# Altium PCB waffling60-ALPS.PcbDoc (part 2 of 2)
Units mm, origin at the board's own origin, x right, y up, seen from the top; angles counter-clockwise.
Board outline 284.7 x 94.21 mm, 2 copper layers (Component Side, Bottom Layer), stack 1.571 mm thick; 180 components, 117 nets, 690 pads, 139 vias.
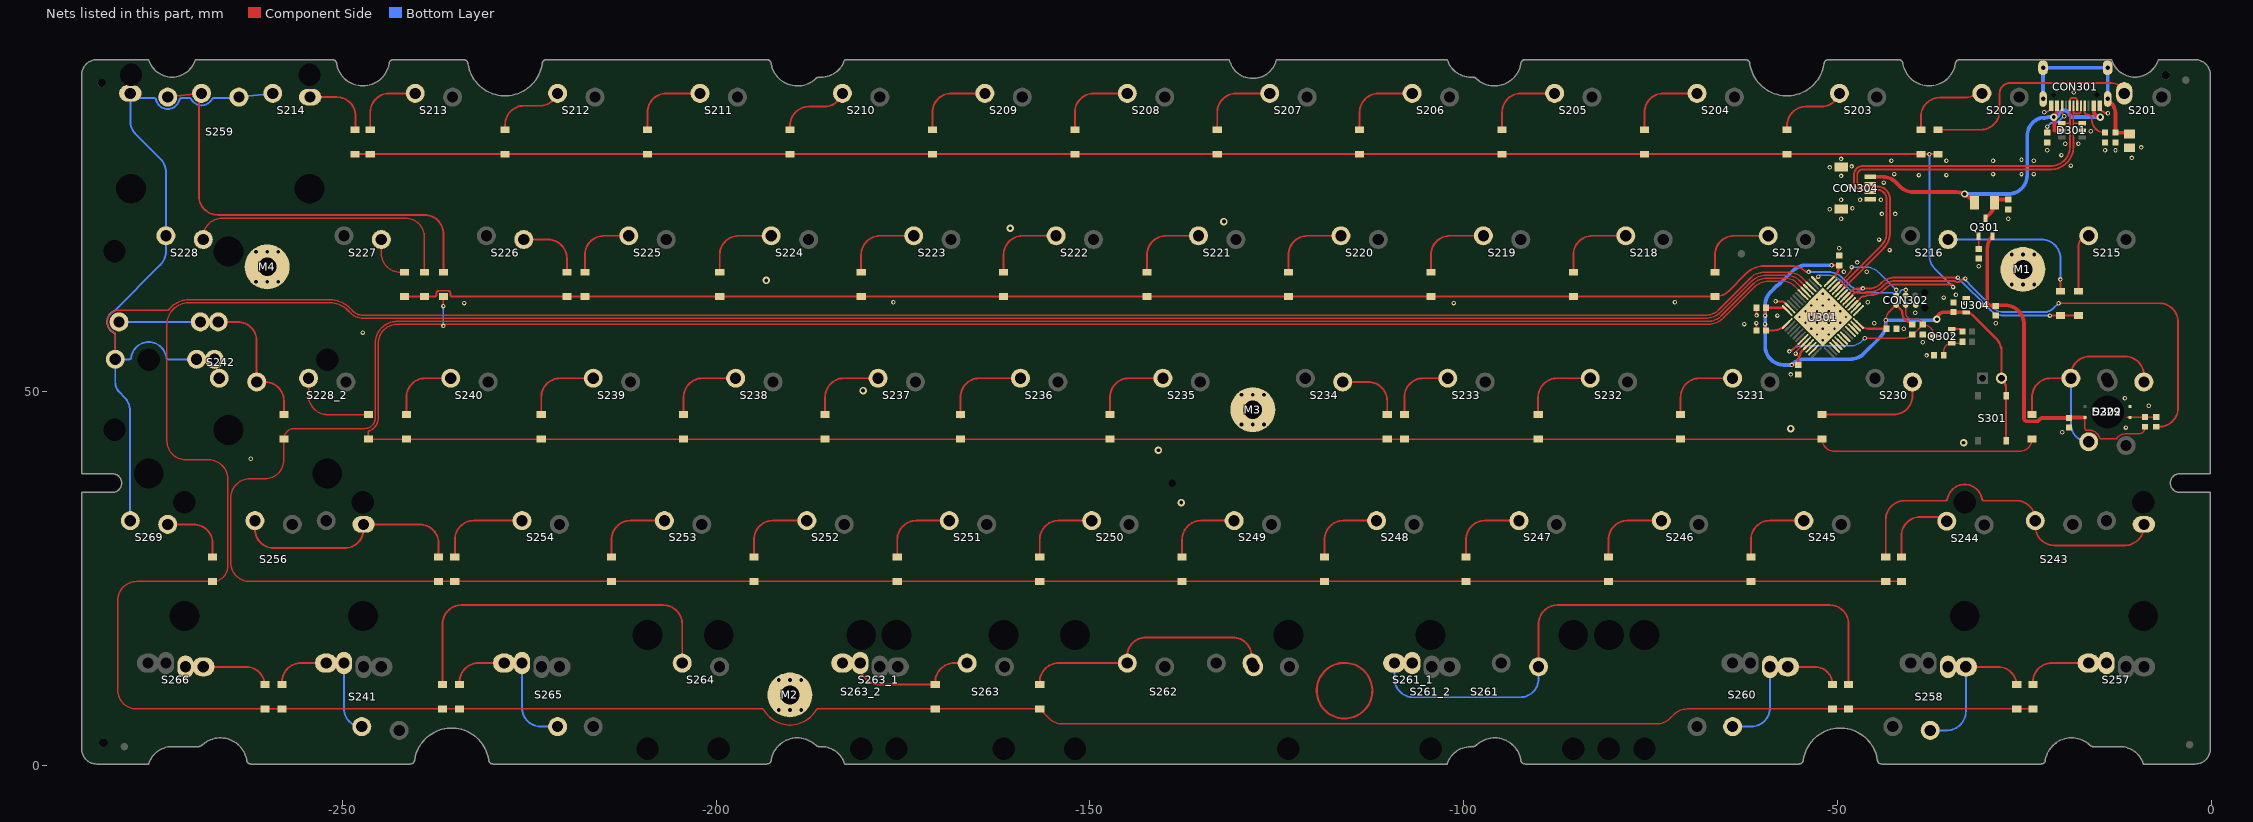
[diagram p2: the nets of this part, all layers, seen from the top]

## Via types
v1: diameter 0.6, hole 0.3, Component Side to Bottom Layer, tented both sides, 102 vias
v2: diameter 0.6, hole 0.3, Component Side to Bottom Layer, tented bottom, 25 vias
v3: diameter 1, hole 0.5, Component Side to Bottom Layer, tented both sides, 12 vias

## Nets (pads, with @x,y where several pads share a name; then routed paths per layer and width w, separated by ;. In a path a pad name is that pad's centre, name@x,y a point inside that pad or via, vN(x,y) a via of type N, cw(c..) or ccw(c..) an arc to the next point about the centre after c; other vN are vias at no path point) (continued)
col14: S214.2 S228.2 S242.2 S259.2 S269.2 U301.39 | length 342.6
  Component Side w0.203: S242.2@-279.352,54.404 cw(c-279.495,54.548) -279.495,54.345 S242.2@-280.361,54.345 -280.361,57.186 ccw(c-282.901,57.186) -280.435,57.796 ccw(c-280.633,57.747) -280.544,57.929 cw(c-279.861,59.345) -279.689,60.907 -273.354,60.907 ccw(c-273.356,61.11) -273.194,60.987 cw(c-270.564,59.001) -273.156,61.037 cw(c-270.564,59.001) -271.551,62.145 cw(c-270.564,59.001) -270.564,62.297 -251.623,62.297 cw(c-251.623,58.547) -248.97,61.197 -248.712,60.939 -248.548,60.774 ccw(c-247.225,62.096) -248.545,60.772 ccw(c-247.225,62.096) -247.225,60.226 -67.691,60.226 ccw(c-67.691,62.766) -65.895,60.97 -61.617,65.248 cw(c-59.821,63.452) -59.821,65.992 -56.539,65.992 cw(c-56.539,63.452) -54.743,65.248 U301.39@-53.72,64.225
  Component Side w0.254: S242.2@-267.099,54.345 S242.2@-266.45,51.815
  Bottom Layer w0.254: S259.2@-278.39,90.495 cw(c-278.39,90.108) S259.2@-278.003,90.108 ; S269.2@-278.384,32.765 -278.384,33.345 -278.39,33.345 -278.39,47.468 ccw(c-280.93,47.468) -279.134,49.264 -279.781,49.911 cw(c-278.38,51.312) -280.361,51.312 S242.2@-280.361,54.345 ; S242.2@-269.48,54.345 -273.295,54.345 cw(c-273.295,54.599) -273.548,54.57 ccw(c-275.888,54.3) -278.228,54.57 cw(c-278.481,54.599) -278.481,54.345 S242.2@-280.361,54.345 ; S242.2@-267.099,54.345 S242.2@-266.45,51.815 ; S214.2@-259.3,89.915 S259.2@-263.825,89.415 -263.825,89.281 -267.2,89.281 ccw(c-267.201,89.027) -267.424,89.149 cw(c-268.825,89.915) -270.226,89.149 ccw(c-270.449,89.027) -270.449,89.281 -271.54,89.281 ccw(c-271.54,89.027) -271.788,89.08 cw(c-273.35,89.415) -274.912,89.08 ccw(c-275.16,89.027) -275.161,89.281 -276.819,89.281 cw(c-276.819,91.446) S259.2@-278.35,89.915 -278.35,86.235 ccw(c-275.81,86.235) -277.606,84.439 -274.331,81.164 cw(c-276.127,79.368) -273.587,79.368 S228.2@-273.587,70.865 -273.587,68.78 cw(c-276.127,68.78) -274.331,66.984 -280.512,60.803 ccw(c-279.861,59.345) -280.748,60.673 ccw(c-279.861,59.345) -280.75,60.672 ccw(c-279.861,59.345) -280.512,57.887 cw(c-280.615,57.655) -280.361,57.653 S242.2@-280.361,54.345
D_N: CON301.A7 CON301.B7 CON304.2 D301.3 U301.32 | length 62
  Component Side w0.254: U301.32@-49.513,63.518 -49.513,63.53 -49.083,63.96 cw(c-49.04,63.96) U301.32@-49.071,63.99 ; U301.32@-49.071,63.99 -43.854,69.207 ccw(c-45.971,71.324) -42.977,71.324 -42.977,75.751 ccw(c-44.704,75.751) -44.704,77.479 -46.736,77.479 cw(c-46.736,78.114) -47.371,78.114 -47.371,78.994 cw(c-46.609,78.994) -46.609,79.756 -21.463,79.756 ccw(c-21.463,82.753) -18.466,82.753 -18.466,83.947 ccw(c-18.923,83.947) -18.47,84.005 cw(c-18.217,84.036) -18.471,84.035 -18.471,85.852 ; CON301.B7@-17.45,88.25 -17.473,87.652 -17.473,87.525 cw(c-17.8,87.525) -17.58,87.283 cw(c-17.8,87.525) -17.8,87.198 -18.1,87.198 cw(c-18.1,87.525) -18.427,87.525 -18.427,87.652 CON301.A7@-18.45,88.25 ccw(c-18.45,88.229) -18.471,88.229 -18.471,85.852 ; D301.3@-17.294,85.913 -18.41,85.913 ccw(c-18.41,85.852) -18.471,85.852
D_P: CON301.A6 CON301.B6 CON304.3 D301.4 U301.33 | length 62.8
  Component Side w0.254: U301.33@-49.866,63.871 -49.854,63.871 -49.424,64.301 ccw(c-49.424,64.344) -49.394,64.314 -44.178,69.53 ccw(c-45.974,71.326) -43.434,71.326 -43.434,75.751 ccw(c-44.704,75.751) -44.704,77.021 -46.736,77.021 cw(c-46.736,78.114) -47.828,78.114 -47.828,78.994 cw(c-46.609,78.994) -46.609,80.213 -21.469,80.213 ccw(c-21.469,82.753) -18.929,82.753 -18.929,85.979 ; D301.4@-20.044,85.913 -18.995,85.913 ccw(c-18.995,85.979) -18.929,85.979 ; CON301.A6@-17.95,88.25 -17.973,87.652 -17.973,88.353 cw(c-18.3,88.355) -17.973,88.351 -17.973,88.975 ccw(c-18.3,88.975) -18.3,89.302 -18.6,89.302 ccw(c-18.6,88.975) -18.927,88.975 -18.927,88.355 CON301.B6@-18.95,88.25 cw(c-18.95,88.229) -18.929,88.229 -18.929,85.979
GND: C301.1 C302.1 C303.1 C304.1 C305.1 C306.1 C307.1 C308.1 C310.2 C311.1 C312.1 CON301.A1B12 CON301.B1A12 CON302.5 CON304.4 CON304.5 D301.2 D302.3 L301.1 M1.1 M2.1 M3.1 M4.1 Q302.2 R301.2 R302.2 R304.2 R305.2 R307.2 U301.8 U301.23 U301.35 U301.47 U304.1 | length 47.1
  Component Side w0.254: v1(-58.293,62.103) -57.509,62.103 cw(c-57.509,61.49) -57.075,61.924 U301.47@-56.549,61.397 ; v1(-55.626,55.118) -55.56,55.184 -55.56,55.35 U301.8@-54.427,56.482 ; Q302.2@-34.741,58.389 -33.704,58.389 cw(c-33.705,58.135) -33.658,58.385 ccw(c-33.528,59.055) -33.528,58.372 R304.2@-33.289,58.074 ; v1(-22.352,87.376) -22.324,87.376 ccw(c-22.324,88.25) CON301.B1A12@-21.45,88.25 ; CON301.A1B12@-14.95,88.25 -14.777,87.687 cw(c-14.984,87.541) -14.776,87.685 ccw(c-13.949,88.25) -14.712,87.602 ccw(c-14.519,87.767) -14.6,87.526 cw(c-14.859,86.741) -14.285,87.337 ccw(c-14.11,87.521) -14.166,87.273 ccw(c-13.949,88.25) -13.949,87.249 v1(-13.843,87.249)
  Component Side w0.279: -112.231,10.152 cw(c-115.948,10.029) -112.231,10.166
  Component Side w0.3: C305.1@-60.848,58.201 v1@-60.848,59.202 ; v1@-60.833,60.213 C304.1@-60.833,61.214
  Bottom Layer w0.254: v2(-55.081,60) v2(-54.303,59.222) v2(-53.526,58.444) v2(-52.748,57.666) v2(-51.97,56.889) ; v2(-52.748,62.333) v2(-51.192,60.778) v2(-49.637,59.222) ; v2(-51.97,63.111) v2(-51.192,62.333) v2(-50.414,61.556) v2(-49.637,60.778) v2(-48.859,60)
  other v1: -262.255,41.036 -19.939,44.577 -11.43,45.212 -8.382,48.133 -11.557,49.149 -56.261,52.324 -38.1,54.864 -38.608,56.642 -34.544,57.531 -247.269,57.927 -41.148,58.42 -62.484,59.055 -45.085,59.182 -28.829,59.182 -60.848,59.194 -58.039,60.198 -60.833,60.221 -39.624,60.579 -32.893,61.849 -233.68,61.864 -101.346,61.864 -45.974,61.976 -176.276,61.991 -71.755,61.991 -35.814,62.611 -34.163,62.992 -49.149,66.04 -46.101,66.04 -31.115,66.802 -47.371,67.31 -43.053,68.961 -49.784,69.215 -44.45,70.358 -49.53,73.152 -27.178,73.152 -44.069,73.787 -42.291,73.787 -51.054,74.422 -48.006,74.549 -49.53,75.692 -46.99,75.692 -44.196,75.692 -48.387,77.47 -43.815,77.978 -49.53,78.867 -39.116,78.994 -35.433,78.994 -42.418,79.121 -29.21,79.121 -25.4,79.121 -23.749,79.121 -51.054,80.01 -48.133,80.137 -18.796,80.264 -42.799,80.899 -35.433,80.899 -29.21,80.899 -23.749,80.899 -25.4,81.026 -49.53,81.153 -10.668,81.28 -20.066,81.661 -21.971,82.296 -14.224,82.296 -12.827,82.296 -9.398,82.677 -19.558,83.185 -17.78,83.185 -16.129,84.836 -18.415,90.043
  other v2: -51.192,57.666 -51.97,58.444 -50.414,58.444 -52.748,59.222 -51.192,59.222 -53.526,60 -51.97,60 -50.414,60 -54.303,60.778 -52.748,60.778 -53.526,61.556 -51.97,61.556
  other v3: -137.795,35.179 -140.843,42.164 -33.147,43.18 -56.261,45.085 -180.34,50.165 -193.294,64.897 -160.655,71.882 -132.08,72.771
LED: R308.2 U301.29 | length 64.7
  Component Side w0.254: U301.29@-48.452,62.457 -48.375,62.534 ccw(c-48.96,63.119) -48.267,62.667 cw(c-48.055,62.528) -48.236,62.706 -48.061,62.88 ccw(c-48.399,63.217) -47.988,62.976 cw(c-47.77,62.845) -47.95,63.024 -47.805,63.17 cw(c-47.319,62.686) -47.319,63.371 -47.132,63.371 cw(c-47.133,63.117) -46.983,63.322 ccw(c-46.609,63.825) -46.224,63.331 cw(c-46.069,63.13) -46.146,63.371 -45.684,63.371 ccw(c-45.684,65.75) -44.709,63.58 ccw(c-45.684,65.75) -44.001,64.069 -43.858,64.212 cw(c-42.382,62.738) -42.382,64.824 -34.417,64.824 cw(c-34.434,64.571) -34.283,64.775 ccw(c-33.909,65.278) -33.909,64.651 ccw(c-33.909,65.278) -33.343,65.008 cw(c-33.115,64.897) -33.116,65.151 v1(-32.893,65.151) ; v1(-20.447,61.849) -6.985,61.849 cw(c-6.985,59.309) -4.445,59.309 -4.445,47.864 cw(c-6.985,47.864) -6.985,45.324 R308.2@-7.366,45.324
  Bottom Layer w0.254: v1(-32.893,65.151) -32.893,65.009 ccw(c-32.639,65.009) -32.819,64.83 -32,64.012 -29.251,61.262 ccw(c-27.777,62.738) -27.777,60.652 -22.352,60.652 ccw(c-22.352,62.361) -22.027,60.683 ccw(c-22.077,60.932) -21.937,60.72 cw(c-21.59,60.198) -21.646,60.822 ccw(c-21.671,61.075) -21.553,60.85 ccw(c-22.352,62.361) -21.143,61.153 v1(-20.447,61.849)
NetC306_2: C306.2 F301.1 Q301.3 | length 4.7
  Component Side w0.5: Q301.3@-30.226,73.209 -29.624,73.811 ccw(c-31.125,75.311) F301.1@-29.003,75.311 -29.003,75.707 C306.2@-27.178,75.707
NetC309_2: C309.2 Q302.1 R305.1 | length 3.8
  Component Side w0.203: R305.1@-35.799,54.899 -35.799,55.431 cw(c-34.741,55.431) Q302.1@-34.741,56.489 -33.477,56.489 ccw(c-33.477,56.677) C309.2@-33.289,56.677
NetC312_2: C312.2 CON301.S1 L301.2 | length 24.4
  Component Side w0.5: CON301.S1@-13.88,88.561 CON301.S1@-13.88,89.165 CON301.S1@-13.571,88.856 ; CON301.S1@-13.571,88.856 cw(c-15.367,87.06) -12.827,87.06 C312.2@-12.827,84.65 -11.318,84.65 cw(c-11.318,84.09) L301.2@-10.922,84.486
  Bottom Layer w0.5: CON301.S1@-22.52,89.165 CON301.S1@-22.52,93.345 CON301.S1@-13.88,93.345 CON301.S1@-13.88,89.165
NetCON301_A5: CON301.A5 R301.1 | length 5.2
  Component Side w0.254: CON301.A5@-16.95,88.25 -16.95,87.441 ccw(c-16.59,87.441) -16.59,87.081 cw(c-16.59,86.493) -16.285,86.996 cw(c-16.59,86.493) -16.002,86.493 -16.002,86.428 ccw(c-14.224,86.428) R301.1@-14.224,84.65
NetCON301_B5: CON301.B5 R302.1 | length 5.1
  Component Side w0.254: R302.1@-21.971,84.65 v1(-21.971,85.471) ; CON301.B5@-19.95,88.25 -19.95,87.508 ccw(c-19.045,87.508) v1(-19.685,86.868)
  Bottom Layer w0.254: v1(-21.971,85.471) -21.559,85.883 cw(c-21.381,85.702) -21.311,85.946 ccw(c-21.082,86.741) -20.427,86.237 cw(c-20.226,86.081) -20.352,86.301 ccw(c-20.878,87.241) -20.103,86.493 -19.792,86.805 cw(c-19.612,86.625) v1(-19.685,86.868)
NetD201_1: D201.1 S201.1 | length 30.6
  Component Side w0.254: D201.1@-36.576,85.05 -30.861,85.05 ccw(c-30.861,87.59) -28.321,87.59 -28.321,89.916 cw(c-26.924,89.916) -26.924,91.313 -13.56,91.313 cw(c-13.56,88.773) -11.764,90.569 -11.69,90.495 ccw(c-12.254,90.495) S201.1@-12.254,91.059
NetD202_1: D202.1 S202.1 | length 12.9
  Component Side w0.254: D202.1@-38.862,85.05 -38.862,85.117 -38.862,86.799 cw(c-36.322,86.799) -36.322,89.339 -34.32,89.339 cw(c-34.036,86.358) -34.036,89.352 -32.935,89.352 ccw(c-32.935,91.892) -31.139,90.096 -30.74,90.495 cw(c-32.208,90.495) S202.1@-31.209,89.419
NetD203_1: D203.1 S203.1 | length 10.3
  Component Side w0.254: D203.1@-56.769,85.05 -56.769,85.598 cw(c-54.229,85.598) -54.229,88.138 -52.147,88.138 ccw(c-52.147,90.495) S203.1@-49.79,90.495
NetD204_1: D204.1 S204.1 | length 10.8
  Component Side w0.254: D204.1@-75.819,85.05 -75.819,87.375 cw(c-73.279,87.375) -73.279,89.915 S204.1@-68.8,89.915
NetD205_1: D205.1 S205.1 | length 10.8
  Component Side w0.254: D205.1@-94.869,85.05 -94.869,87.375 cw(c-92.329,87.375) -92.329,89.915 S205.1@-87.85,89.915
NetD206_1: D206.1 S206.1 | length 10.8
  Component Side w0.254: D206.1@-113.919,85.05 -113.919,87.375 cw(c-111.379,87.375) -111.379,89.915 S206.1@-106.9,89.915
NetD207_1: D207.1 S207.1 | length 10.8
  Component Side w0.254: D207.1@-132.969,85.05 -132.969,87.375 cw(c-130.429,87.375) -130.429,89.915 S207.1@-125.95,89.915
NetD208_1: D208.1 S208.1 | length 10.8
  Component Side w0.254: D208.1@-152.019,85.05 -152.019,87.375 cw(c-149.479,87.375) -149.479,89.915 S208.1@-145,89.915
NetD209_1: D209.1 S209.1 | length 10.8
  Component Side w0.254: D209.1@-171.069,85.05 -171.069,87.375 cw(c-168.529,87.375) -168.529,89.915 S209.1@-164.05,89.915
NetD210_1: D210.1 S210.1 | length 10.3
  Component Side w0.254: D210.1@-190.119,85.05 -190.119,85.598 cw(c-187.579,85.598) -187.579,88.138 -185.497,88.138 ccw(c-185.497,90.495) S210.1@-183.14,90.495
NetD211_1: D211.1 S211.1 | length 10.8
  Component Side w0.254: D211.1@-209.169,85.05 -209.169,87.375 cw(c-206.629,87.375) -206.629,89.915 S211.1@-202.15,89.915
NetD212_1: D212.1 S212.1 | length 10.4
  Component Side w0.254: D212.1@-228.219,85.05 -228.219,85.725 cw(c-225.679,85.725) -225.679,88.265 -223.47,88.265 ccw(c-223.47,90.495) S212.1@-221.24,90.495
NetD213_1: D213.1 S213.1 | length 9.8
  Component Side w0.254: D213.1@-246.253,85.05 -246.253,87.375 cw(c-243.713,87.375) -243.713,89.915 S213.1@-240.25,89.915
NetD214_1: D214.1 S214.1 | length 9.4
  Component Side w0.254: S214.1@-254.3,89.415 -250.759,89.415 cw(c-250.759,86.875) -248.219,86.875 D214.1@-248.219,85.05
NetD215_1: D215.1 S215.1 | length 8.8
  Component Side w0.254: D215.1@-17.78,63.46 -17.78,69.498 cw(c-16.412,69.498) S215.1@-16.452,70.864 ; S215.1@-16.452,71.445 S215.1@-16.452,70.864 ; S215.1@-16.412,70.865 ccw(c-16.412,69.498) S215.1@-16.452,70.864
NetD216_1: D216.1 S216.1 | length 21.2
  Component Side w0.254: v1(-20.193,65.024) D216.1@-20.193,63.46 ; D216.1@-20.193,63.46 cw(c-20.31,63.46) -20.31,63.343 D216.1@-20.193,63.46
  Bottom Layer w0.254: S216.1@-35.225,70.365 -22.733,70.365 cw(c-22.733,67.825) -20.193,67.825 v1(-20.193,65.024)
NetD217_1: D217.1 S217.1 | length 10.9
  Component Side w0.254: D217.1@-66.4,66 -66.4,68.325 cw(c-63.86,68.325) -63.86,70.865 S217.1@-59.275,70.865
NetD218_1: D218.1 S218.1 | length 10.8
  Component Side w0.254: D218.1@-85.344,66 -85.344,68.325 cw(c-82.804,68.325) -82.804,70.865 S218.1@-78.325,70.865
NetD219_1: D219.1 S219.1 | length 10.8
  Component Side w0.254: D219.1@-104.394,66 -104.394,68.325 cw(c-101.854,68.325) -101.854,70.865 S219.1@-97.375,70.865
NetD220_1: D220.1 S220.1 | length 10.8
  Component Side w0.254: D220.1@-123.444,66 -123.444,68.325 cw(c-120.904,68.325) -120.904,70.865 S220.1@-116.425,70.865
NetD221_1: D221.1 S221.1 | length 10.7
  Component Side w0.254: D221.1@-142.367,66 -142.367,68.325 cw(c-139.827,68.325) -139.827,70.865 S221.1@-135.475,70.865
NetD222_1: D222.1 S222.1 | length 10.8
  Component Side w0.254: D222.1@-161.544,66 -161.544,68.325 cw(c-159.004,68.325) -159.004,70.865 S222.1@-154.525,70.865
NetD223_1: D223.1 S223.1 | length 10.8
  Component Side w0.254: D223.1@-180.594,66 -180.594,68.325 cw(c-178.054,68.325) -178.054,70.865 S223.1@-173.575,70.865
NetD224_1: D224.1 S224.1 | length 10.7
  Component Side w0.254: D224.1@-199.517,66 -199.517,68.325 cw(c-196.977,68.325) -196.977,70.865 S224.1@-192.625,70.865
NetD225_1: D225.1 S225.1 | length 9.7
  Component Side w0.254: D225.1@-217.551,66 -217.551,68.325 cw(c-215.011,68.325) -215.011,70.865 S225.1@-211.675,70.865
NetD226_1: D226.1 S226.1 | length 9
  Component Side w0.254: S226.1@-225.725,70.365 -222.504,70.365 cw(c-222.504,67.825) -219.964,67.825 D226.1@-219.964,66
NetD227_1: D227.1 S227.1 | length 6.4
  Component Side w0.203: S227.1@-244.775,70.365 -244.775,68.54 ccw(c-242.235,68.54) -242.235,66 D227.1@-241.681,66
NetD228_1: D228.1 S228.1 | length 37.5
  Component Side w0.203: S228.1@-268.587,70.365 -268.587,70.691 cw(c-266.047,70.691) -266.047,73.231 -241.554,73.231 cw(c-241.554,70.691) -239.014,70.691 D228.1@-239.014,66
NetD228_2_1: D228_2.1 S228_2.1 | length 11.8
  Component Side w0.203: S228_2.1@-254.512,51.815 -254.512,49.49 ccw(c-251.972,49.49) -251.972,46.95 D228_2.1@-246.507,46.95
NetD229_1: D229.1 S229.1 | length 32.8
  Component Side w0.254: D229.1@-24.003,46.95 -24.003,49.275 cw(c-21.463,49.275) -21.463,51.815 S229.1@-18.794,51.815 -18.794,52.197 cw(c-16.254,52.197) -16.254,54.737 -11.571,54.737 cw(c-11.571,52.197) -9.031,52.197 S229.1@-9.031,51.315
  Bottom Layer w0.254: S229.1@-18.794,51.815 -18.794,45.696 ccw(c-16.412,45.696) S229.1@-16.412,43.315
NetD230_1: D230.1 S230.1 | length 15.4
  Component Side w0.254: D230.1@-52.07,46.95 -42.527,46.95 ccw(c-42.527,49.49) -39.987,49.49 S230.1@-39.987,51.315
NetD231_1: D231.1 S231.1 | length 10.7
  Component Side w0.254: D231.1@-70.993,46.95 -70.993,49.275 cw(c-68.453,49.275) -68.453,51.815 S231.1@-64.037,51.815
NetD232_1: D232.1 S232.1 | length 10.7
  Component Side w0.254: D232.1@-90.043,46.95 -90.043,49.275 cw(c-87.503,49.275) -87.503,51.815 S232.1@-83.087,51.815
NetD233_1: D233.1 S233.1 | length 9.6
  Component Side w0.254: D233.1@-107.95,46.95 -107.95,49.275 cw(c-105.41,49.275) -105.41,51.815 S233.1@-102.137,51.815
NetD234_1: D234.1 S234.1 | length 9.2
  Component Side w0.254: S234.1@-116.187,51.315 -112.776,51.315 cw(c-112.776,48.775) -110.236,48.775 D234.1@-110.236,46.95
NetD235_1: D235.1 S235.1 | length 10.9
  Component Side w0.254: D235.1@-147.32,46.95 -147.32,49.275 cw(c-144.78,49.275) -144.78,51.815 S235.1@-140.237,51.815
NetD236_1: D236.1 S236.1 | length 12.2
  Component Side w0.254: D236.1@-167.32,46.515 D236.1@-167.32,46.95 -167.32,49.275 cw(c-164.78,49.275) -164.78,51.815 S236.1@-159.287,51.815
NetD237_1: D237.1 S237.1 | length 10.9
  Component Side w0.254: D237.1@-185.42,46.95 -185.42,49.275 cw(c-182.88,49.275) -182.88,51.815 S237.1@-178.337,51.815
NetD238_1: D238.1 S238.1 | length 10.7
  Component Side w0.254: D238.1@-204.343,46.95 -204.343,49.275 cw(c-201.803,49.275) -201.803,51.815 S238.1@-197.387,51.815
NetD239_1: D239.1 S239.1 | length 10.7
  Component Side w0.254: D239.1@-223.393,46.95 -223.393,49.275 cw(c-220.853,49.275) -220.853,51.815 S239.1@-216.437,51.815
NetD240_1: D240.1 S240.1 | length 9.7
  Component Side w0.254: D240.1@-241.427,46.95 -241.427,49.275 cw(c-238.887,49.275) -238.887,51.815 S240.1@-235.487,51.815
NetD241_1: D241.1 S241.2 | length 17.2
  Component Side w0.254: D241.1@-258.064,11.175 cw(c-255.524,11.175) -255.524,13.715 S241.2@-252.156,13.715
  Bottom Layer w0.254: S241.2@-249.774,13.715 -249.774,7.596 ccw(c-247.393,7.596) S241.2@-247.393,5.215
NetD242_1: D242.1 S242.1 | length 29.9
  Component Side w0.254: S242.1@-266.599,59.345 -263.99,59.345 cw(c-263.99,56.805) -261.45,56.805 S242.1@-261.45,51.315 -260.35,51.315 cw(c-260.35,48.775) -257.81,48.775 D242.1@-257.81,46.95
  Bottom Layer w0.254: S242.1@-279.861,59.345 S242.1@-268.98,59.345
NetD243_1: D243.1 S243.1 | length 48.6
  Component Side w0.254: D243.1@-43.561,27.9 -43.561,32.893 cw(c-41.021,32.893) -41.021,35.433 -35.567,35.433 ccw(c-35.567,35.687) -35.317,35.644 cw(c-32.994,35.25) -30.672,35.643 ccw(c-30.421,35.687) -30.421,35.433 -26.096,35.433 cw(c-26.096,32.893) -23.556,32.893 S243.1@-23.556,32.765 -23.556,32.004 ccw(c-21.016,32.004) -21.016,29.464 -11.571,29.464 ccw(c-11.571,32.004) -9.031,32.004 S243.1@-9.031,32.265
NetD244_1: D244.1 S244.2 | length 10.3
  Component Side w0.254: D244.1@-41.468,27.9 -41.468,30.734 cw(c-38.928,30.734) -38.928,33.274 S244.2@-35.433,33.274
NetD245_1: D245.1 S245.1 | length 10.9
  Component Side w0.254: D245.1@-61.595,27.9 -61.595,30.225 cw(c-59.055,30.225) -59.055,32.765 S245.1@-54.512,32.765
NetD246_1: D246.1 S246.1 | length 10.9
  Component Side w0.254: D246.1@-80.645,27.9 -80.645,30.225 cw(c-78.105,30.225) -78.105,32.765 S246.1@-73.562,32.765
NetD247_1: D247.1 S247.1 | length 10.9
  Component Side w0.254: D247.1@-99.695,27.9 -99.695,30.225 cw(c-97.155,30.225) -97.155,32.765 S247.1@-92.612,32.765
NetD248_1: D248.1 S248.1 | length 10.7
  Component Side w0.254: D248.1@-118.618,27.9 -118.618,30.225 cw(c-116.078,30.225) -116.078,32.765 S248.1@-111.662,32.765
NetD249_1: D249.1 S249.1 | length 10.7
  Component Side w0.254: D249.1@-137.668,27.9 -137.668,30.225 cw(c-135.128,30.225) -135.128,32.765 S249.1@-130.712,32.765
NetD250_1: D250.1 S250.1 | length 10.7
  Component Side w0.254: D250.1@-156.718,27.9 -156.718,30.225 cw(c-154.178,30.225) -154.178,32.765 S250.1@-149.762,32.765
NetD251_1: D251.1 S251.1 | length 10.7
  Component Side w0.254: D251.1@-175.768,27.9 -175.768,30.225 cw(c-173.228,30.225) -173.228,32.765 S251.1@-168.812,32.765
NetD252_1: D252.1 S252.1 | length 10.9
  Component Side w0.254: D252.1@-194.945,27.9 -194.945,30.225 cw(c-192.405,30.225) -192.405,32.765 S252.1@-187.862,32.765
NetD253_1: D253.1 S253.1 | length 10.9
  Component Side w0.254: D253.1@-213.995,27.9 -213.995,30.225 cw(c-211.455,30.225) -211.455,32.765 S253.1@-206.912,32.765
NetD254_1: D254.1 S254.1 | length 12.8
  Component Side w0.254: D254.1@-234.95,27.9 -234.95,30.225 cw(c-232.41,30.225) -232.41,32.765 S254.1@-225.962,32.765
NetD255_1: D255.1 S256.2 | length 32.5
  Component Side w0.254: S256.2@-261.68,32.765 -261.68,31.623 ccw(c-259.14,31.623) -259.14,29.083 -249.695,29.083 ccw(c-249.695,31.623) -247.155,31.623 S256.2@-247.155,32.265 -239.649,32.265 cw(c-239.649,29.725) -237.109,29.725 D255.1@-237.109,27.9
NetD256_1: D256.1 S269.1 | length 9.3
  Component Side w0.254: S269.1@-273.35,32.265 -269.875,32.265 cw(c-269.875,29.725) -267.335,29.725 D256.1@-267.335,27.9
NetD257_1: D257.1 S257.2 | length 8.9
  Component Side w0.254: D257.1@-23.876,11.175 cw(c-21.336,11.175) -21.336,13.715 S257.2@-16.412,13.715
NetD258_1: D258.1 S258.1 | length 20.4
  Component Side w0.254: S258.1@-32.843,13.215 -28.575,13.215 cw(c-28.575,10.675) D258.1@-26.035,10.675
  Bottom Layer w0.254: S258.1@-37.606,4.715 -35.383,4.715 ccw(c-35.383,7.255) -32.843,7.255 S258.1@-32.843,13.215
NetD259_1: D259.1 S259.1 | length 59.6
  Component Side w0.254: S259.1@-273.35,89.415 S259.1@-269.182,89.875 ; S259.1@-268.825,89.915 S259.1@-269.182,89.875 ; D259.1@-236.474,66 -236.474,71.12 ccw(c-239.014,71.12) -239.014,73.66 -266.642,73.66 cw(c-266.642,76.2) -269.182,76.2 S259.1@-269.182,89.875
  Bottom Layer w0.254: S259.1@-269.5,90.495 S259.1@-268.865,90.495
NetD260_1: D260.1 S260.1 | length 19.2
  Component Side w0.254: S260.1@-56.656,13.215 -53.038,13.215 cw(c-53.038,10.85) D260.1@-50.673,10.85
  Bottom Layer w0.254: S260.1@-64.037,5.215 -61.577,5.215 ccw(c-61.577,7.755) -59.037,7.755 S260.1@-59.037,13.215
NetD261_1: D261.1 S261.1 S261_1.1 S261_2.2 | length 84.7
  Component Side w0.254: S261.1@-89.993,12.446 S261.1@-89.993,13.215 -89.993,18.923 cw(c-87.453,18.923) -87.453,21.463 -51.054,21.463 cw(c-51.054,18.923) -48.514,18.923 D261.1@-48.514,10.85
  Bottom Layer w0.254: S261_1.1@-109.28,13.715 -109.28,11.684 ccw(c-106.74,11.684) -106.74,9.144 -92.456,9.144 ccw(c-92.456,11.607) -89.993,11.607 S261.1@-89.993,13.215
NetD262_1: D262.1 S262.2 | length 34.8
  Component Side w0.254: D262.1@-156.718,10.85 -156.718,11.175 cw(c-154.178,11.175) -154.178,13.715 S262.2@-144.999,13.715 ; S262.2@-145.039,14.295 -145.039,14.605 cw(c-142.499,14.605) -142.499,17.145 -130.903,17.145 cw(c-130.903,14.605) -128.363,14.605 -128.363,14.295 S262.2@-127.837,13.769
  Bottom Layer w0.254: S262.2@-145.039,14.295 S262.2@-145.039,14.478 ; S262.2@-128.363,14.295 S262.2@-128.363,14.478
NetD263_1: D263.1 S263.2 S263_1.2 S263_2.2 | length 17.8
  Component Side w0.254: S263_1.2@-180.718,13.715 -180.718,13.39 ccw(c-178.178,13.39) -178.178,10.85 D263.1@-170.688,10.85 -170.688,11.175 cw(c-168.148,11.175) -168.148,13.715 S263.2@-166.431,13.715
NetD264_1: D264.1 S264.1 | length 48.3
  Component Side w0.254: D264.1@-236.601,10.85 -236.601,18.923 cw(c-234.061,18.923) -234.061,21.463 -207.071,21.463 cw(c-207.071,18.923) -204.531,18.923 S264.1@-204.531,13.715
NetD265_1: D265.1 S265.2 | length 19.9
  Component Side w0.254: D265.1@-234.315,10.85 -234.315,11.175 cw(c-231.775,11.175) -231.775,13.715 S265.2@-228.343,13.715
  Bottom Layer w0.254: S265.2@-225.962,13.715 -225.962,7.755 ccw(c-223.422,7.755) -223.422,5.215 S265.2@-221.199,5.215
NetD266_1: D266.1 S266.1 | length 9.7
  Component Side w0.254: S266.1@-268.587,13.215 -262.89,13.215 cw(c-262.89,10.675) D266.1@-260.35,10.675
NetD302_4: D302.4 R306.2 R308.1 | length 4
  Component Side w0.203: -11.303,46.609 -7.478,46.609 cw(c-7.478,46.497) R308.1@-7.366,46.497
NetQ301_1: Q301.1 R307.1 | length 1.7
  Component Side w0.254: Q301.1@-31.176,70.809 cw(c-31.323,70.662) -31.115,70.662 R307.1@-31.115,69.103
NRST: C310.1 CON302.3 Q302.3 R303.2 U301.7 | length 27.9
  Component Side w0.203: v1(-56.434,55.394) ccw(c-56.434,55.906) -56.312,55.409 ccw(c-56.434,55.906) -56.072,55.544 U301.7@-54.781,56.836 ; v1(-46.355,57.15) -41.28,57.15 ccw(c-41.28,58.953) R303.2@-40.005,57.678 ccw(c-40.005,57.912) -39.839,57.747 C310.1@-38.608,58.978 ; CON302.3@-40.894,61.63 -40.894,60.579 ccw(c-40.005,60.579) -40.005,59.69 -39.32,59.69 cw(c-39.32,58.978) C310.1@-38.608,58.978 ; Q302.3@-37.141,57.439 -37.141,57.511 ccw(c-38.608,57.511) C310.1@-38.608,58.978
  Bottom Layer w0.203: v1(-56.434,55.394) cw(c-54.648,53.608) -54.648,56.134 -48.423,56.134 ccw(c-48.423,58.674) -46.627,56.878 v1(-46.355,57.15)
PA0: U301.10
PA1: U301.11
PA5: U301.15
PA6: U301.16
PA7: U301.17
PA9: D215.2 D216.2 D217.2 D218.2 D219.2 D220.2 D221.2 D222.2 D223.2 D224.2 D225.2 D226.2 D227.2 D228.2 U301.30 | length 232.5
  Component Side w0.254: D227.2@-241.681,62.73 D228.2@-239.014,62.73 -237.665,62.73 ccw(c-237.665,62.984) -237.411,62.984 -237.411,63.185 cw(c-237.084,63.185) -237.084,63.512 -235.864,63.512 cw(c-235.864,63.185) -235.537,63.185 -235.537,62.984 ccw(c-235.283,62.984) -235.283,62.73 D226.2@-219.964,62.73 D225.2@-217.551,62.73 D224.2@-199.517,62.73 D223.2@-180.594,62.73 D218.2@-85.344,62.73 D217.2@-66.4,62.73 -66.364,62.73 ccw(c-66.364,65.27) -64.568,63.474 -62.206,65.836 cw(c-59.821,63.452) -62.204,65.837 cw(c-59.821,63.452) -60.314,66.787 ccw(c-60.35,67.039) -60.309,66.788 cw(c-59.886,64.284) -59.886,66.824 -56.198,66.824 cw(c-56.198,63.944) -54.331,66.136 cw(c-56.198,63.944) -54.263,66.076 ccw(c-54.093,66.265) -54.053,66.014 -53.91,66.037 cw(c-53.87,65.786) -53.87,66.04 v1@-53.848,66.04 ; U301.30@-48.806,62.811 -48.125,63.492 cw(c-47.319,62.686) -47.319,63.825 v1(-46.609,63.825) -45.684,63.825 ccw(c-45.684,65.75) -44.323,64.389 -44.178,64.534 cw(c-42.382,62.738) -42.382,65.278 v1(-33.909,65.278) ; v1(-21.59,60.198) -21.59,60.19 D216.2@-20.193,60.19 D215.2@-17.78,60.19
  Bottom Layer w0.254: v1(-53.877,66.024) -52.697,66.024 ccw(c-52.698,66.278) -52.664,66.026 cw(c-52.578,65.405) -52.492,66.026 ccw(c-52.458,66.278) -52.459,66.024 -51.201,66.024 cw(c-51.201,63.484) -49.405,65.28 cw(c-51.201,63.484) -49.401,65.276 -48.708,64.583 cw(c-49.008,64.277) -48.704,64.579 -48.395,64.27 ccw(c-46.903,65.764) -48.339,64.216 ccw(c-46.903,65.764) -46.895,63.652 ccw(c-46.896,63.906) -46.769,63.686 ccw(c-46.99,64.068) -46.678,63.756 v1(-46.609,63.825) ; v1(-33.909,65.278) -29.573,60.942 ccw(c-27.777,62.738) -27.777,60.198 v1(-21.59,60.198)
PA10: U301.31
PB0: U301.18
PB1: U301.19
PB4: D241.2 D256.2 D257.2 D258.2 D260.2 D261.2 D262.2 D263.2 D264.2 D265.2 D266.2 U301.40 | length 553
  Component Side w0.203: D256.2@-266.827,24.691 D256.2@-266.862,24.687 ; U301.40@-54.074,63.871 -55.047,64.845 ccw(c-56.843,63.049) -56.843,65.589 -59.487,65.589 ccw(c-59.487,62.645) -61.568,64.727 -65.611,60.684 cw(c-67.691,62.766) -67.691,59.823 -247.225,59.823 cw(c-247.225,62.096) -248.829,60.486 cw(c-247.225,62.096) -248.833,60.489 -249.126,60.782 -249.256,60.913 ccw(c-251.623,58.547) -251.623,61.893 -270.564,61.893 ccw(c-270.564,59.001) -273.456,59.001 -273.456,43.434 ccw(c-270.916,43.434) -270.916,40.894 -267.865,40.894 cw(c-267.865,38.354) -265.325,38.354 -265.325,26.64 cw(c-267.335,26.64) D256.2@-266.862,24.687 ; D257.2@-23.876,7.58 D258.2@-26.035,7.58 D261.2@-48.514,7.58 D260.2@-50.673,7.58 -70.1,7.58 ccw(c-70.1,5.04) -71.896,6.836 -72.408,6.324 cw(c-74.204,8.12) -74.204,5.58 -153.666,5.58 cw(c-153.666,8.12) -155.462,6.324 D262.2@-156.718,7.58 D263.2@-170.688,7.58 -186.403,7.58 ccw(c-186.402,7.326) -186.622,7.453 cw(c-190.119,9.45) -193.616,7.453 ccw(c-193.836,7.326) -193.835,7.58 D265.2@-234.315,7.58 D264.2@-236.601,7.58 D241.2@-258.064,7.58 D266.2@-260.35,7.58 -277.495,7.58 cw(c-277.495,10.12) -280.035,10.12 -280.035,22.09 cw(c-277.495,22.09) -277.495,24.63 D256.2@-267.335,24.63 ; D256.2@-267.335,24.63 ccw(c-267.335,26.64) D256.2@-266.862,24.687 ; D256.2@-267.335,24.63 D256.2@-266.862,24.687
PB5: D242.2 D243.2 D244.2 D245.2 D246.2 D247.2 D248.2 D249.2 D250.2 D251.2 D252.2 D253.2 D254.2 D255.2 U301.41 | length 465.8
  Component Side w0.203: U301.41@-54.427,63.518 -55.526,64.616 ccw(c-56.9,63.242) -56.9,65.185 -59.487,65.185 ccw(c-59.487,62.645) -61.283,64.441 -65.561,60.164 cw(c-67.357,61.96) -67.357,59.42 -242.855,59.42 ccw(c-242.854,59.217) -242.886,59.418 -242.999,59.4 cw(c-243.031,59.6) -243.005,59.399 ccw(c-242.652,56.477) -245.595,56.477 -245.595,46.495 cw(c-247.005,46.495) -247.005,45.085 -256.405,45.085 ccw(c-256.405,43.68) D242.2@-257.81,43.68 -257.81,40.894 cw(c-260.35,40.894) -260.35,38.354 -262.382,38.354 ccw(c-262.382,35.814) -264.922,35.814 -264.922,27.17 ccw(c-262.382,27.17) -262.382,24.63 D255.2@-237.109,24.63 D254.2@-234.95,24.63 D253.2@-213.995,24.63 D252.2@-194.945,24.63 D251.2@-175.768,24.63 D250.2@-156.718,24.63 D249.2@-137.668,24.63 D248.2@-118.618,24.63 D247.2@-99.695,24.63 D246.2@-80.645,24.63 D245.2@-61.595,24.63 D243.2@-43.561,24.63 D244.2@-41.468,24.63
PB6: D228_2.2 D229.2 D230.2 D231.2 D232.2 D233.2 D234.2 D235.2 D236.2 D237.2 D238.2 D239.2 D240.2 D259.2 U301.42 | length 436.2
  Component Side w0.203: v1(-236.474,61.468) D259.2@-236.474,62.73 ; U301.42@-54.781,63.164 -55.816,64.199 ccw(c-57.223,62.792) -57.223,64.782 -59.153,64.782 ccw(c-59.153,61.839) -61.234,63.921 -65.277,59.878 cw(c-67.357,61.96) -67.357,59.017 -242.652,59.017 ccw(c-242.652,56.477) -245.192,56.477 -245.192,46.495 cw(c-247.005,46.495) -246.375,44.795 ccw(c-246.304,44.605) -246.507,44.606 D228_2.2@-246.507,43.68 D240.2@-241.427,43.68 D239.2@-223.393,43.68 D238.2@-204.343,43.68 D237.2@-185.42,43.68 D236.2@-167.32,43.68 D235.2@-147.32,43.68 D234.2@-110.236,43.68 D233.2@-107.95,43.68 D232.2@-90.043,43.68 D231.2@-70.993,43.68 -56.388,43.68 D230.2@-52.07,43.68 ccw(c-50.427,43.68) -50.427,42.037 -25.646,42.037 ccw(c-25.646,43.68) D229.2@-24.003,43.68
  Bottom Layer w0.203: v1(-236.474,58.801) v1(-236.474,61.468)
PB10: U301.21
PB11: U301.22
PB12: U301.25
PB13: U301.26
PB14: D201.2 D202.2 D203.2 D204.2 D205.2 D206.2 D207.2 D208.2 D209.2 D210.2 D211.2 D212.2 D213.2 D214.2 U301.27 | length 244.9
  Component Side w0.254: D214.2@-248.285,81.78 D213.2@-246.253,81.78 D212.2@-228.219,81.78 D211.2@-209.169,81.78 D210.2@-190.119,81.78 D209.2@-171.069,81.78 D208.2@-152.019,81.78 D207.2@-132.969,81.78 D206.2@-113.919,81.78 D205.2@-94.869,81.78 D204.2@-75.819,81.78 D203.2@-56.769,81.78 D202.2@-38.862,81.78 D201.2@-36.576,81.78 D201.2@-36.449,81.78 ; U301.27@-47.745,61.75 -46.967,62.528 cw(c-45.847,61.408) -46.766,62.698 cw(c-46.62,62.49) -46.619,62.744 ccw(c-46.609,63.825) -46.076,62.885 cw(c-45.952,62.663) -45.953,62.917 -45.684,62.917 ccw(c-45.684,65.75) -44.955,63.013 ccw(c-45.684,65.75) -43.68,63.748 -43.538,63.89 cw(c-42.382,62.738) -42.382,64.37 -34.805,64.37 cw(c-34.805,64.001) v1@-34.544,64.262
  Bottom Layer w0.254: v1(-37.719,81.788) -37.719,68.235 ccw(c-35.179,68.235) -36.975,66.439 v1(-34.544,64.008)
PB15: U301.28
RAW: CON301.A4B9 CON301.B4A9 CON304.1 D301.5 F301.2 | length 48.8
  Component Side w0.5: CON304.1@-45.625,78.75 -43.988,78.75 cw(c-43.988,76.21) -42.192,78.006 -41.638,77.452 ccw(c-39.842,79.248) -39.842,76.708 -34.152,76.708 cw(c-34.152,74.168) -32.356,75.964 F301.2@-31.703,75.311 ; CON301.B4A9@-20.65,88.25 -20.65,87.784 cw(c-22.125,87.784) v3(-21.082,86.741) cw(c-21.294,86.529) -20.994,86.529 -20.994,85.638 ccw(c-20.544,85.638) -20.99,85.575 -20.99,84.963 D301.5@-20.044,84.963 ; CON301.A4B9@-15.75,88.25 -15.75,87.632 ccw(c-14.859,87.632) -15.007,86.753 ccw(c-14.859,87.632) v3(-14.859,86.741)
  Bottom Layer w0.5: v3(-33.02,76.454) -27.178,76.454 ccw(c-27.178,78.994) -24.638,78.994 -24.638,84.201 cw(c-22.098,84.201) -22.791,86.645 cw(c-22.655,86.163) -22.534,86.649 ccw(c-22.352,87.376) -22.037,86.695 cw(c-21.828,86.241) -21.83,86.741 v3(-21.082,86.741) -20.876,86.741 ccw(c-20.878,87.241) -20.401,87.091 cw(c-19.685,86.868) -19.17,87.413 ; -19.448,87.58 cw(c-19.685,86.868) -19.17,87.413 ; v3(-14.859,86.741) -18.494,86.741 cw(c-18.492,87.241) -18.969,87.09 ccw(c-19.685,86.868) -19.17,87.413
SWCLK: CON302.4 U301.37 | length 14.1
  Component Side w0.203: U301.37@-53.013,64.932 -52.605,65.34 ccw(c-52.67,65.405) v1(-52.578,65.405) ; CON302.4@-40.894,62.9 v1(-40.894,63.627)
  Bottom Layer w0.203: v1@-52.451,65.532 cw(c-52.298,65.379) -52.298,65.595 -51.201,65.595 cw(c-51.201,63.484) -49.708,64.977 cw(c-51.201,63.484) -49.705,64.974 -49.009,64.278 cw(c-49.152,64.133) -49.008,64.277 -48.699,63.968 ccw(c-46.903,65.764) -46.903,63.224 -42.692,63.224 cw(c-42.693,63.021) -42.56,63.174 ccw(c-42.164,63.627) -41.582,63.474 cw(c-41.386,63.421) -41.419,63.621 cw(c-41.349,63.193) -41.349,63.627 v1(-40.894,63.627)
SWDIO: CON302.2 U301.34 | length 11.2
  Component Side w0.203: U301.34@-50.22,64.225 ccw(c-50.236,64.428) -50.093,64.283 -49.779,64.598 cw(c-49.46,64.278) -49.635,64.694 ccw(c-49.715,64.881) -49.6,64.713 -48.483,65.831 ccw(c-49.327,66.675) v1(-48.133,66.675) ; CON302.2@-42.164,62.9 v1(-42.164,63.627)
  Bottom Layer w0.203: v1(-48.133,66.675) -46.264,66.675 cw(c-46.264,64.135) -44.468,65.931 v1(-42.164,63.627)
VCC: C307.2 C311.2 D302.1 Q301.2 R306.1 U304.3 | length 48.5
  Component Side w0.203: D302.1@-16.912,46.565 -16.912,45.106 ccw(c-16.637,45.106) -16.866,44.954 ccw(c-16.697,45.067) -16.666,44.866 cw(c-16.412,43.315) -16.379,44.886 cw(c-16.412,43.315) -15.027,44.056 cw(c-16.412,43.315) -14.935,43.851 ccw(c-14.745,43.922) -14.746,43.718 -12.799,43.718 ccw(c-12.8,43.922) -12.642,43.794 cw(c-11.412,42.815) -11.299,44.382 -9.705,44.382 ccw(c-9.705,45.197) -8.89,45.197 R306.1@-9.213,45.022
  Component Side w0.5: U304.3@-30.381,61.573 U304.3@-29.972,61.573 ; Q301.2@-29.276,70.809 ccw(c-27.596,69.129) -29.972,69.129 U304.3@-29.972,61.573 ; D302.1@-16.912,46.565 -19.05,46.565 C311.2@-19.05,46.497 -22.586,46.497 ccw(c-22.584,45.997) -23.009,46.26 cw(c-23.393,46.495) -23.393,46.045 -24.613,46.045 cw(c-24.613,46.495) -25.063,46.495 -25.063,59.033 ccw(c-27.603,59.033) -27.603,61.573 U304.3@-29.972,61.573
VCC3V3: C301.2 C302.2 C303.2 C304.2 C305.2 C308.2 CON302.1 CON303.2 R303.1 S301.1 U301.1 U301.9 U301.24 U301.36 U301.48 U304.2 | length 94.2
  Component Side w0.203: C301.2@-43.449,58.42 -43.561,58.532 v1(-43.561,59.563) cw(c-41.943,59.563) -43.087,60.707 CON302.1@-42.164,61.63
  Component Side w0.3: v1(-59.69,59.055) -59.633,58.998 -59.633,58.286 C305.2@-59.548,58.201 -58.71,58.201 ccw(c-58.71,60.741) -56.914,58.945 U301.1@-56.902,58.957 ; v1(-59.69,60.198) -59.69,61.107 cw(c-59.548,61.107) C304.2@-59.548,61.249 -57.4,61.249 cw(c-57.4,60.545) U301.48@-56.902,61.043 ; v1(-56.134,53.594) -56.127,53.601 -55.253,53.601 C302.2@-55.245,53.609 -55.245,54.41 cw(c-54.632,54.41) -55.237,54.51 cw(c-54.941,54.46) -55.158,54.667 ccw(c-55.626,55.118) -55.11,54.723 ccw(c-55.626,55.118) -54.982,55.031 ccw(c-55.626,55.118) -54.976,55.108 cw(c-54.676,55.102) -54.889,55.313 U301.9@-54.074,56.129 ; U301.36@-50.927,64.932 -50.377,65.482 ccw(c-51.809,66.914) C303.2@-49.784,66.914 -50.8,66.914 v1(-50.8,66.929) ; U301.24@-47.038,58.957 ccw(c-45.741,60.253) -45.741,58.42 C301.2@-43.449,58.42 ; CON302.1@-42.164,61.63 -41.51,60.976 cw(c-41.907,60.579) -41.461,60.92 cw(c-41.907,60.579) -41.346,60.579 ccw(c-40.005,60.579) -41.204,59.979 ccw(c-40.005,60.579) -40.005,59.238 R303.1@-39.878,59.238 ; U304.2@-32.825,60.641 cw(c-32.825,60.579) U304.2@-32.781,60.623 cw(c-32.781,59.466) -31.963,60.284 -28.811,57.132 cw(c-30.607,55.336) -28.067,55.336 CON303.2@-28.067,51.816 cw(c-29.528,50.355) -27.462,50.355 S301.1@-27.462,49.482 S301.1@-27.462,43.482
  Component Side w0.5: v3(-36.703,59.69) cw(c-35.752,59.69) -35.925,60.625 cw(c-35.752,59.69) -35.752,60.641 C308.2@-34.487,60.641 U304.2@-32.825,60.641
  Bottom Layer w0.5: v1(-50.8,66.929) -54.193,66.929 ccw(c-54.193,64.389) -55.989,66.185 -57.659,64.515 cw(c-58.011,64.87) -57.767,64.434 ccw(c-57.404,63.777) -57.968,64.272 cw(c-58.343,64.603) -58.166,64.135 -58.946,63.355 ccw(c-57.15,61.559) -59.69,61.559 v1(-59.69,60.198) v1(-59.69,59.055) -59.69,56.134 ccw(c-57.15,56.134) -57.15,53.594 v1(-56.134,53.594) -56.104,53.624 cw(c-54.308,51.828) -54.308,54.368 -48.284,54.368 ccw(c-48.284,56.908) -46.488,55.112 -44.305,57.295 ccw(c-46.101,59.091) -43.561,59.091 v1(-43.561,59.563) -36.965,59.563 -36.838,59.69 v3(-36.703,59.69)
pads on no net: CON301. CON301.A8 CON301.B8 CON302.0 CON302.6 D301.1 D301.6 D302. D302.2 FID1.0 FID2.0 FID3.0 FID4.0 S201. S202. S203. S204. S205. S206. S207. S208. S209. S210. S211. S212. S213. S214. S215. S216. S217. S218. S219. S220. S221. S222. S223. S224. S225. S226. S227. S228. S228_2. S229. S230. S231. S232. S233. S234. S235. S236. S237. S238. S239. S240. S241. S242. S243. S244. S245. S246. S247. S248. S249. S250. S251. S252. S253. S254. S256. S257. S258. S259. S260. S261. S261_1. S261_2. S262. S263. S263_1. S263_2. S264. S265. S266. S269. STAB1.

## Polygon pours and split planes (outlines as drawn)
GND on Bottom Layer "Component Side-No Net" (hatched 45Degree grid 1.397 track 0.203, remove dead copper, pour order 0): -0.635,93.995 -0.635,0.65 -284.607,0.65 -284.607,93.995
GND on Component Side "Component Side-No Net" (hatched 45Degree grid 1.397 track 0.203, remove dead copper, pour order 1): -0.635,93.995 -0.635,0.65 -284.607,0.65 -284.607,93.995

## Other copper
Component Side:
  region net GND: 1746 vertices and 2 holes, not listed, extent -118.967,6.898 -113.055,13.037

## Silkscreen, mask and mechanical layers (free items; w line width, h text height)
Top Overlay:
  text "RESET" at -33.274,48.133 h0.75 r270
  text "Waffling: adj. or verb - indecisive; unable to make up one's mind; playing the safe middle ground due to one's own lack of conviction or sense of morality." at -244.094,39.751 h2.9
  text "Waffling60  -D1" at -148.036,1.942 h3
  text "ALPS" at -133.939,1.561 h1.5
Bottom Overlay:
  circle w0.7: c-217.366,29.027 r0.3
  circle w0.7: c-236.416,29.027 r0.3
  circle w0.7: c-66.299,9.215 r0.3
  circle w0.7: c-40.106,9.215 r0.3
  circle w0.7: c-13.97,6.5 r0.3
  circle w0.7: c-142.494,6.5 r0.3
  circle w0.7: c-271.145,6.5 r0.3
  circle w0.7: c-244.893,9.215 r0.3
  circle w0.7: c-218.699,9.215 r0.3
  circle w0.7: c-125.823,9.215 r0.3
  circle w0.4: c-13.944,9.235 r0.75
  circle w0.4: c-37.756,9.235 r0.75
  circle w0.4: c-61.569,9.235 r0.75
  circle w0.4: c-142.531,9.235 r0.75
  circle w0.4: c-271.119,9.235 r0.75
  circle w0.4: c-247.306,9.235 r0.75
  circle w0.4: c-223.494,9.235 r0.75
  circle w0.4: c-217.239,24.709 r0.75
  circle w0.4: c-236.289,24.709 r0.75
  lines w0.2: -241.114,21.971 -213.114,21.971 ; -240.284,17.907 -214.122,17.907 ; -238.506,26.289 -214.506,26.289 ; -234.397,20.645 -232.029,20.645 ; -233.889,29.027 -231.521,29.027 ; -233.762,24.709 -231.394,24.709 ; -222.559,20.645 -220.191,20.645 ; -222.051,29.027 -219.683,29.027 ; -221.924,24.709 -219.556,24.709 ; -235.104,20.645 -234.397,21.352 -234.397,19.938 -235.104,20.645 ; -234.596,29.027 -233.889,29.734 -233.889,28.32 -234.596,29.027 ; -234.469,24.709 -233.762,24.002 -233.762,25.416 -234.469,24.709 ; -220.191,19.938 -219.484,20.645 -220.191,21.352 -220.191,19.938 ; -219.683,28.32 -218.976,29.027 -219.683,29.734 -219.683,28.32 ; -219.556,24.002 -219.556,25.416 -218.849,24.709 -219.556,24.002
  text "Dots shows AEK layout, 6.5U space" at -214.63,26.793 h0.75
  text "Circles shows Tsangan layout, 7U space" at -213.36,22.475 h0.75
  text "< 10U" at -209.406,20.066 h1.52 r270
  text "< 7U" at -200.008,20.066 h1.52 r270
  text "< 6.25U" at -181.212,20.066 h1.52 r270
  text "< 2.75U" at -176.259,20.066 h1.52 r270
  text "< 3U" at -162.035,20.066 h1.52 r270
  text "< 2.75U" at -152.51,20.066 h1.52 r270
  text "< 2.25U" at -104.885,20.066 h1.52 r270
  text "< 7U" at -85.708,20.066 h1.52 r270
  text "< 10U" at -76.183,20.066 h1.52 r270
  text "x" at -237.725,19.958 h1.75
  text "x" at -218.167,19.958 h1.75
  text "< 3U" at -123.935,19.939 h1.52 r270
  text "< 6.25U" at -81.009,19.939 h1.52 r270
  text "X shows 6.25U space with 1.25U mods" at -214.63,18.411 h0.75
  text "< 3U" at -202.819,16.781 h1.52
  text "< 2.25U" at -80.043,15.001 h1.52 r90
  text "< 3U" at -84.737,14.874 h1.52 r90
  text "x" at -274.047,8.655 h1.75
  text "x" at -250.298,8.655 h1.75
  text "x" at -226.422,8.655 h1.75
  text "x" at -202.673,8.655 h1.75
  text "x" at -59.671,8.655 h1.75
  text "x" at -35.922,8.655 h1.75
  text "x" at -12.046,8.655 h1.75
  text "x" at -131.172,8.528 h1.75
Top Solder:
  drawing of 2 lines, arcs and shapes, not listed
outline:
  lines w0.1: -131.361,94.414 ccw(c-128.211,95.149) -125.061,94.415 ; -131.361,94.415 -182.809,94.415 cw(c-185.924,95.339) -185.925,92.09 -186.179,92.09 ccw(c-186.18,91.366) -186.692,91.878 cw(c-189.125,94.471) -192.625,93.844 ccw(c-193.195,93.845) -193.196,94.415 -222.695,94.415 ccw(c-222.696,93.845) -223.266,93.844 cw(c-228.225,94.614) -233.184,93.844 ccw(c-233.754,93.845) -233.755,94.415 -243.178,94.415 ccw(c-243.179,93.845) -243.749,93.844 cw(c-247.249,94.471) -250.749,93.844 ccw(c-251.319,93.845) -251.32,94.415 -269.659,94.415 cw(c-272.775,95.341) -275.891,94.415 -282.85,94.415 ccw(c-282.849,92.414) -284.85,92.415 -284.85,39.215 -284.85,39.04 -280.759,39.04 cw(c-280.759,37.79) -280.759,36.54 -284.85,36.54 -284.85,2.215 ccw(c-282.849,2.216) -282.85,0.215 -275.891,0.215 cw(c-272.776,-0.709) -272.775,2.54 -269.318,2.54 ccw(c-269.319,3.455) -268.672,2.808 cw(c-266.3,0.158) -262.799,0.786 ccw(c-262.229,0.785) -262.228,0.215 -240.884,0.215 ccw(c-240.885,0.772) -240.328,0.771 cw(c-235.369,0.001) -230.41,0.771 ccw(c-229.853,0.772) -229.854,0.215 -193.196,0.215 ccw(c-193.195,0.785) -192.625,0.786 cw(c-189.125,0.16) -186.682,2.743 ccw(c-186.19,3.237) -186.193,2.54 -185.925,2.54 cw(c-185.924,-0.709) -182.809,0.215 -102.203,0.215 ; -125.061,94.415 -102.191,94.415 ccw(c-99.076,95.339) -99.075,92.09 -98.849,92.09 cw(c-98.85,91.29) -98.285,91.856 ccw(c-95.875,94.471) -92.375,93.844 cw(c-91.805,93.845) -91.804,94.415 -62.305,94.415 cw(c-62.304,93.845) -61.734,93.844 ccw(c-56.775,94.615) -51.816,93.844 cw(c-51.246,93.845) -51.245,94.415 -41.822,94.415 cw(c-41.821,93.845) -41.251,93.844 ccw(c-37.751,94.471) -34.251,93.844 cw(c-33.681,93.845) -33.68,94.415 -13.341,94.415 ccw(c-10.225,95.341) -7.109,94.415 -2.15,94.415 cw(c-2.151,92.414) -0.15,92.415 -0.15,39.04 -4.241,39.04 ccw(c-4.241,37.79) -4.241,36.54 -0.15,36.54 ; -102.203,0.204 cw(c-99.088,-0.72) -99.087,2.529 -98.833,2.529 ccw(c-98.832,3.253) -98.32,2.741 cw(c-95.875,0.159) -92.375,0.786 ccw(c-91.805,0.785) -91.804,0.215 -55.146,0.215 ccw(c-55.147,0.772) -54.59,0.771 cw(c-49.631,0.001) -44.672,0.771 ccw(c-44.115,0.772) -44.116,0.215 -22.772,0.215 ccw(c-22.771,0.785) -22.201,0.786 cw(c-18.701,0.16) -16.234,2.72 ccw(c-15.799,3.155) -15.8,2.54 -12.225,2.54 cw(c-12.224,-0.709) -9.109,0.215 -2.15,0.215 ccw(c-2.151,2.216) -0.15,2.215 -0.15,36.543
Mechanical 2:
  drawing of 190 lines, arcs and shapes, not listed
Mechanical 16:
  drawing of 549 lines, arcs and shapes, not listed

## Text inside footprints (layer, text, board x,y; h text height)
CON301: Mechanical 15 "connector edge" at -15.25,95.5 h1 r180
S262: Mechanical 16 "7U" at -208.331,7.365 h1.52 r270; Mechanical 16 "6.25U" at -188.764,5.615 h1.52 r270